# Altium PCB BMS.PcbDoc (part 1 of 2) (continued)
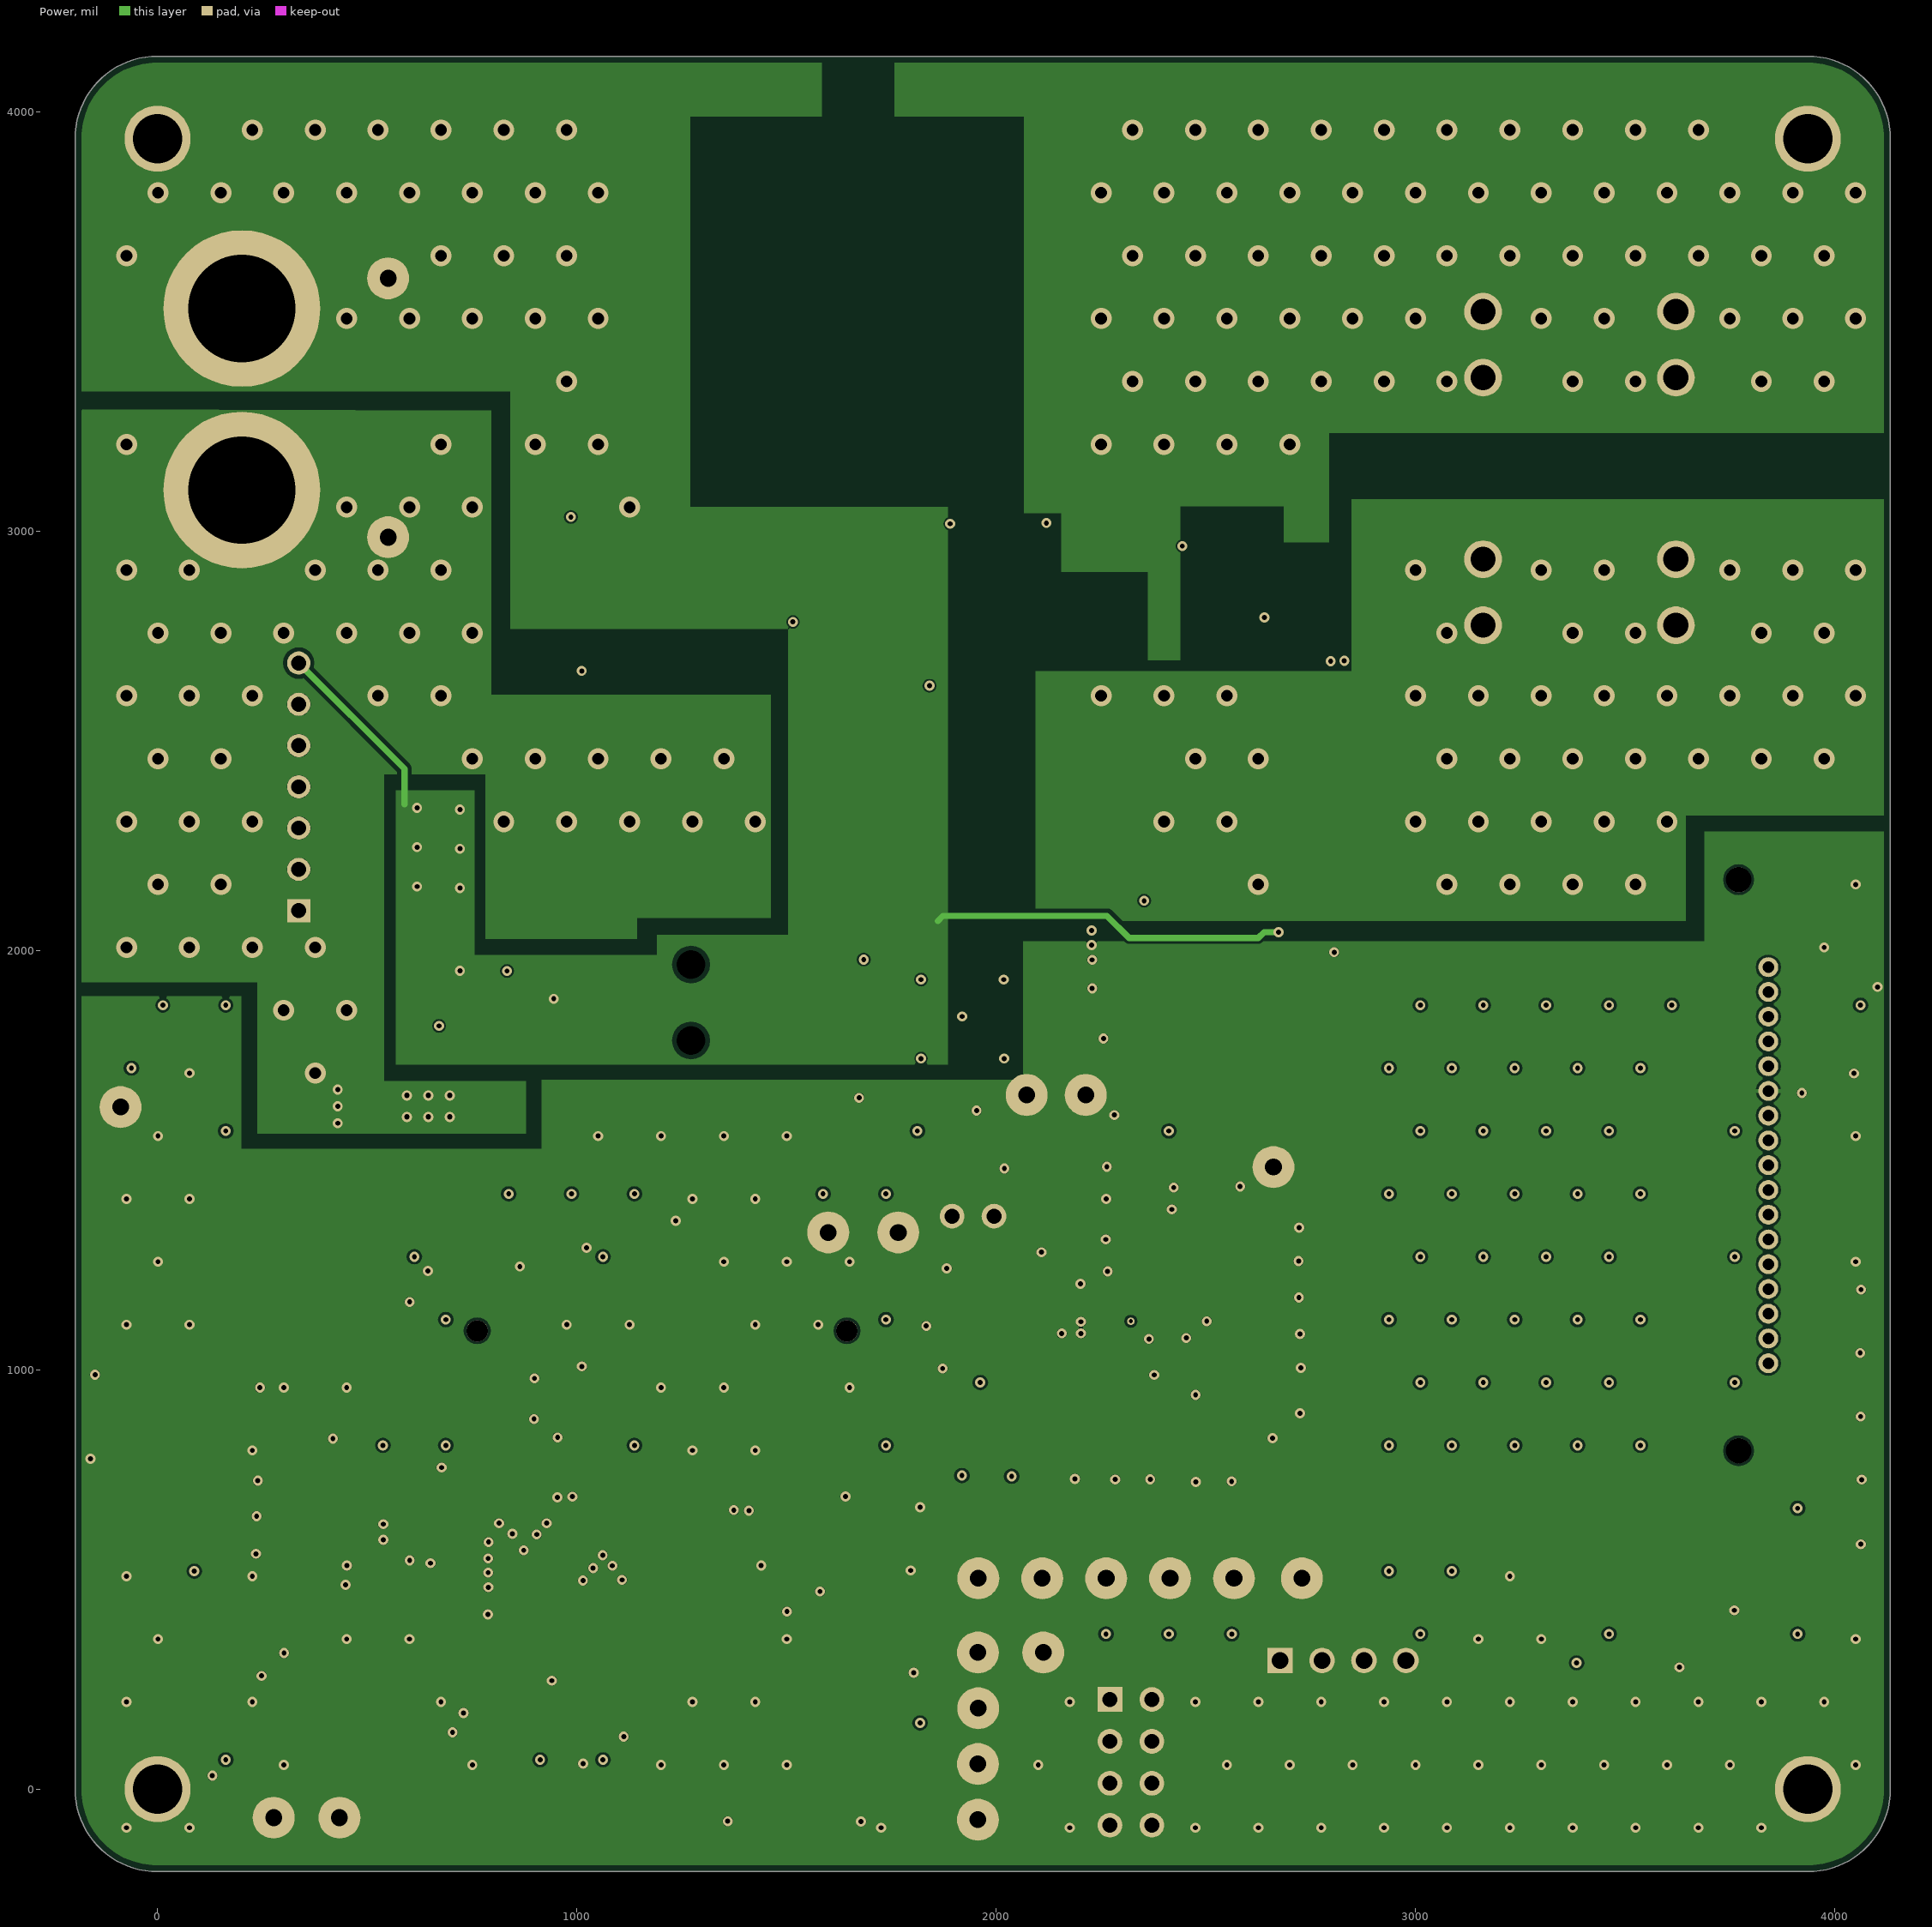
[diagram p3: Power]
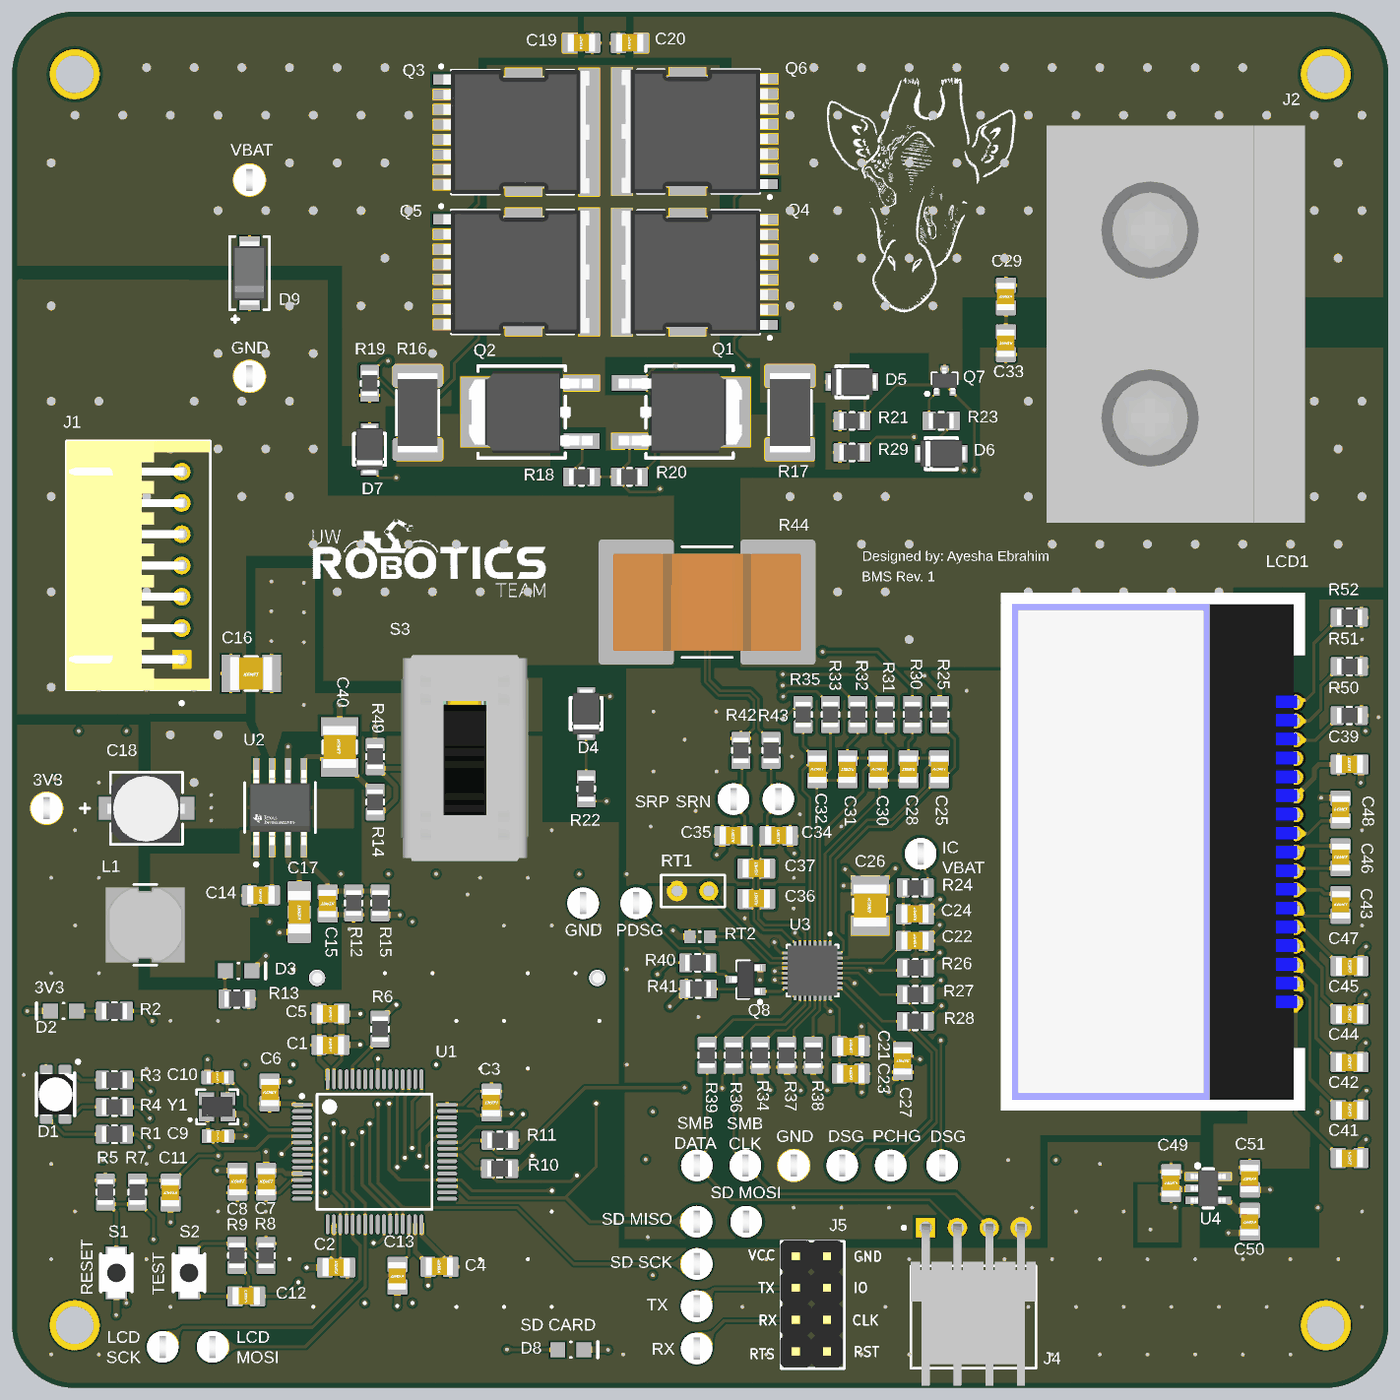
[diagram p5: 3D render of the assembled board from above, using the file's embedded part models]
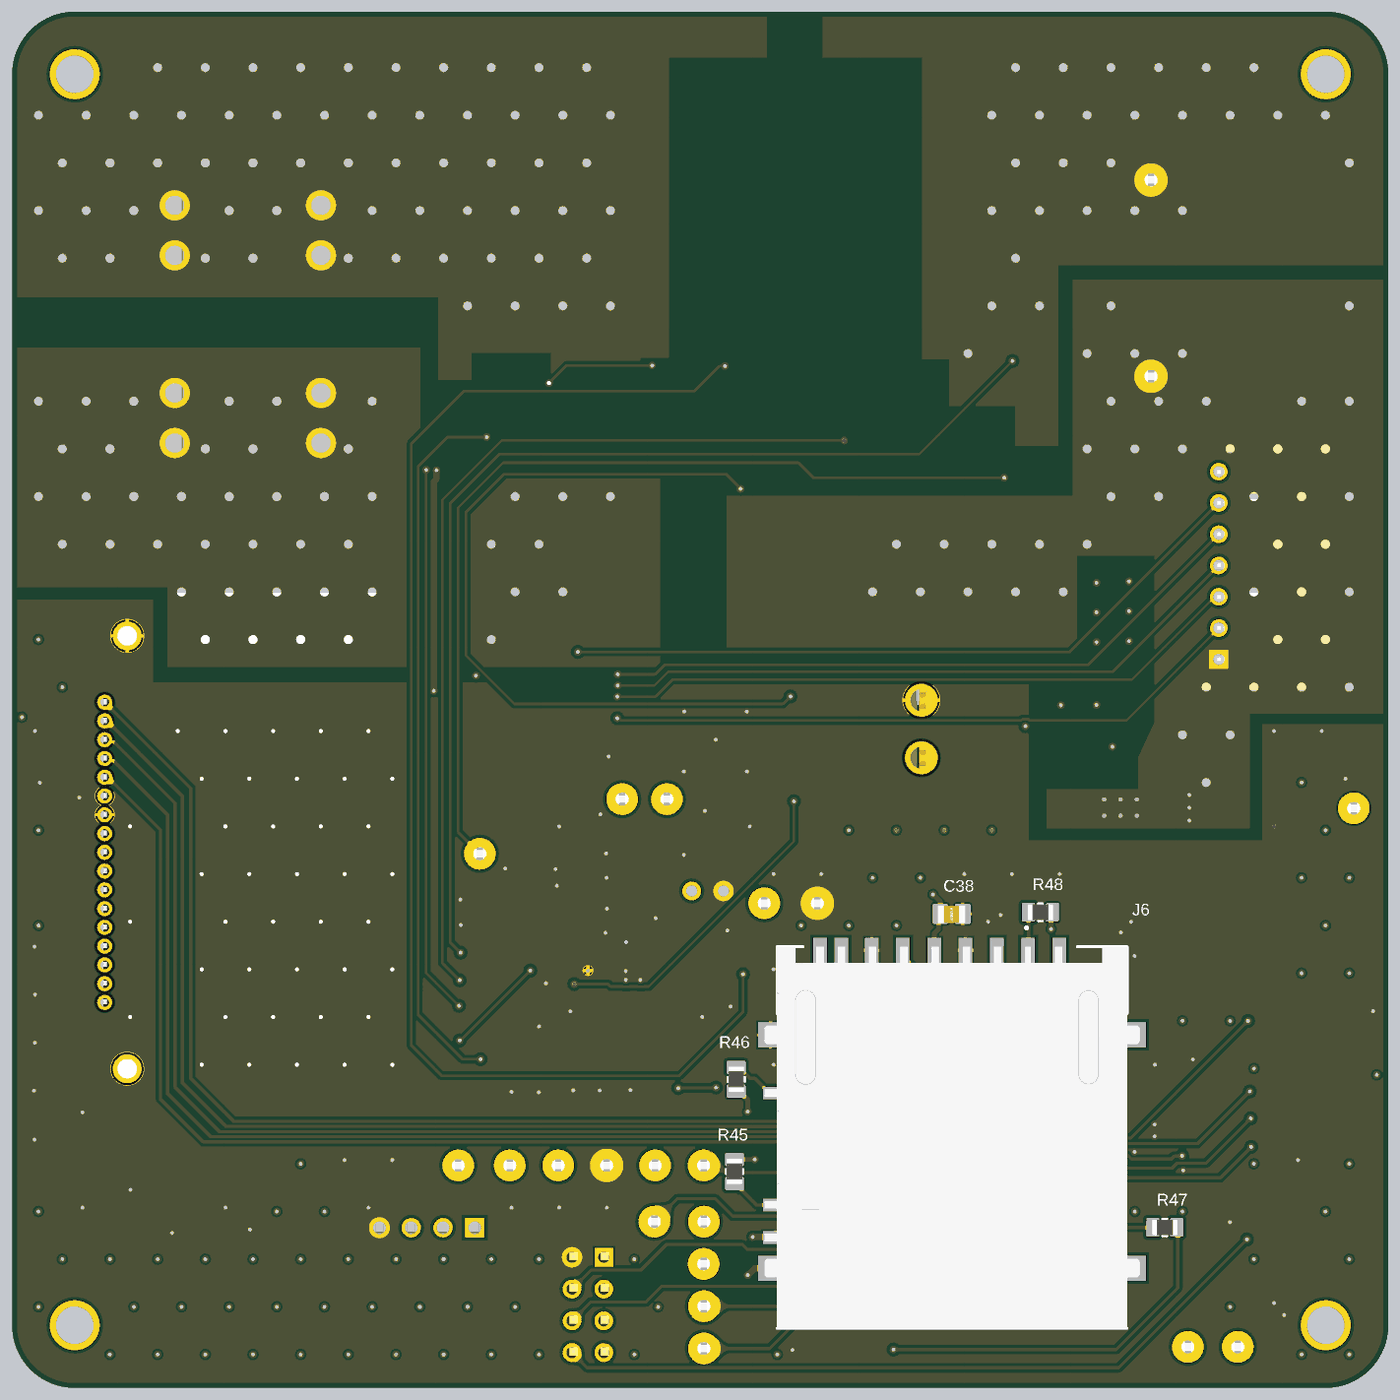
[diagram p6: 3D render of the assembled board from below, using the file's embedded part models]

## Layer stack, top to bottom
Top Solder: solder mask 0.4, Solder Resist, Dk 3.5
Top Layer: signal copper 2.8
Dielectric 2: prepreg 4.3307, PP-006, Dk 4.29
Ground: signal copper 1.378
Dielectric 1: dielectric 44.4882, FR-4, Dk 3.96
Power: signal copper 1.378
Dielectric 3: prepreg 4.3307, PP-006, Dk 4.29
Bottom Layer: signal copper 2.8
Bottom Solder: solder mask 0.4, Solder Resist, Dk 3.5

## Board outline
0,-196.85 cw(c0,0) -196.85,0 -196.85,3937.01 cw(c0,3937.01) 0,4133.86 3937.01,4133.86 cw(c3937.01,3937.01) 4133.86,3937.01 4133.86,0 cw(c3937.01,0) 3937.01,-196.85

## Design rules (kind name [scope] priority, off if disabled: settings)
BoardOutlineClearance [All] p1: gap=15 ignorepadtopadclearanceinfootprint=FALSE except(20: Arc-OutlineEdge)
Clearance Clearance_Voltage [InNet('3V3') or InNet('3V')] p1: gap=6 ignorepadtopadclearanceinfootprint=TRUE
Clearance "Clearance Polygons" [InPolygon] p2: gap=10 ignorepadtopadclearanceinfootprint=FALSE except(0: Arc-Hole Track-Hole SMDPad-Hole THPad-Hole Via-Hole Fill-Hole Poly-Hole Region-Hole Text-Hole)
Clearance [All] p3: gap=6 ignorepadtopadclearanceinfootprint=FALSE except(0: Arc-Hole Track-Hole SMDPad-Hole THPad-Hole Via-Hole Fill-Hole Poly-Hole Region-Hole Text-Hole)
ComponentClearance "HM-TRP & UFL" [InComponent('X1') vs InComponent('U1')] p1: gap=0 collisioncheckmode=3 verticalgap=0 showdistances=FALSE
ComponentClearance [All] p2: gap=1 collisioncheckmode=3 verticalgap=1 showdistances=FALSE
DiffPairsRouting [All] p1: maxlimit=393.7 minlimit=5 mostfreqgap=8 toplayer_minwidth=5 toplayer_maxwidth=15 toplayer_prefwidth=8 midlayer1_minwidth=5 midlayer1_maxwidth=15 midlayer1_prefwidth=8 midlayer2_minwidth=5 midlayer2_maxwidth=15 midlayer2_prefwidth=8 bottomlayer_minwidth=5 bottomlayer_maxwidth=15 bottomlayer_prefwidth=8 maxuncoupledlength=500
Height [All] p1: minheight=0 maxheight=2000 prefheight=500
HoleSize [All] p1: absolutevalues=TRUE maxlimit=265 minlimit=10 maxpercent=80.000 minpercent=20.000
HoleToHoleClearance [All] p1: gap=10 allowstackedmicrovias=FALSE
MinimumAnnularRing [All] p1: minimumring=4
MinimumSolderMaskSliver [All] p1: minsoldermaskwidth=0
PlaneClearance [All] p1: clearance=10
PlaneConnect [All] p1: planeconnectstyle=Relief reliefexpansion=4 reliefentries=4 reliefconductorwidth=6 reliefairgap=6
PolygonConnect "Via connect style" [isVia] p1: connectstyle=Direct reliefconductorwidth=10 reliefentries=4 polygonreliefangle="90 Angle" airgapwidth=10
PolygonConnect [All] p2: thpad.connectstyle=Relief thpad.reliefconductorwidth=10 thpad.reliefentries=4 thpad.polygonreliefangle="90 Angle" thpad.airgapwidth=6 smdpad.connectstyle=Relief smdpad.reliefconductorwidth=10 smdpad.reliefentries=4 smdpad.polygonreliefangle="90 Angle" smdpad.airgapwidth=6 via.connectstyle=Direct via.reliefconductorwidth=10 via.reliefentries=4 via.polygonreliefangle="90 Angle" via.airgapwidth=6
RoutingCorners [All] p1: cornerstyle=45-Degree minsetback=49.21 maxsetback=49.21
RoutingVias [All] p1: holewidth=12 width=22 viastyle="Through Hole" minholewidth=10 minwidth=18 maxholewidth=100 maxwidth=114
SilkToSilkClearance [All] p1: silktosilkclearance=0
SilkToSolderMaskClearance [IsPad] p1: minsilkscreentomaskgap=5 clearancetoexposedcopper=TRUE
SolderMaskExpansion [All] p1: expansion=2.5 istentingtop=FALSE
Width GND [InNet('GND')] p1: maxlimit=30 minlimit=8 preferedwidth=20 minimp=50.000000 maximp=50.000000 favimp=50.000000
Width Power [InNetClass('Power')] p2: maxlimit=40 minlimit=20 preferedwidth=30
Width 3V3 [InNetClass('3V3')] p3: maxlimit=30 minlimit=10 preferedwidth=20
Width [All] p4: maxlimit=400 minlimit=8 preferedwidth=8 minimp=50.000000 maximp=50.000000 favimp=50.000000
19 further rules are at their usual default settings.

## Classes and differential pairs
component class "SH7 - SD CARD CONNECTOR": C38 D8 J6 R45 R46 R47 R48 TP19 TP20
component class "SH1 - POWER": C14 C15 C16 C17 C18 C40 C49 C50 C51 D3 L1 R12 R13 R14 R15 R49 S3 TP8 TP9 U2 U4
component class "SH4 - MICROCONTROLLER": C1 C2 C3 C4 C5 C6 C7 C8 C9 C10 C11 C12 C13 D1 D2 MH1 MH2 MH3 MH4 R1 R2 R3 R4 R5 R6 R7 R8 R9 R10 R11 S1 S2 SMb TP1 TP2 TP3 TP4 TP5 TP6 U1 Y1
component class "SH5 - LCD DISPLAY": C39 C41 C42 C43 C44 C45 C46 C47 C48 LCD1 R50 R51 R52 TP21 TP22
component class "SH2 - CONNECTORS": D9 J1 J2 J3 J4 J5
component class "SH3 - BATTERY MANAGER": C19 C20 C21 C22 C23 C24 C25 C26 C27 C28 C29 C30 C31 C32 C33 C34 C35 C36 C37 CHG D4 D5 D6 D7 Q1 Q2 Q3 Q4 Q5 Q6 Q7 Q8 R16 R17 R18 R19 R20 R21 R22 R23 R24 R25 R26 R27 R28 R29 R30 R31 R32 R33 R34 R35 R36 R37 R38 R39 R40 R41 R42 R43 R44 RT1 RT2 TP10 TP12 TP13 TP14 TP15 TP16 TP17 TP18 U3

## Components (designator, comment, footprint, x,y, rotation, side; value= is the part's Value field where it differs from the comment)
C1 "CAP_0.1uF_50V_0805" CAPC2012X140N 804.61,881.97 r180 top value=0.1uF
C2 "CAP_0.1uF_50V_0805" CAPC2012X140N 822.88,181.72 r0 top value=0.1uF
C3 "CAP_0.1uF_50V_0805" CAPC2012X140N 1311.65,700.97 r90 top value=0.1uF
C4 "CAP_0.1uF_50V_0805" CAPC2012X140N 1147.7,184.02 r0 top value=0.1uF
C5 "CAP_4.7uF_16V_0805" CAPC2012X140N 804.61,980.97 r180 top value=4.7uF
C6 "CAP_0.1uF_50V_0805" CAPC2012X140N 613.25,732.6 r270 top value=0.1uF
C7 "CAP_0.1uF_50V_0805" CAPC2012X140N 602.05,451.95 r270 top value=0.1uF
C8 "CAP_1uF_16V_0805" CAPC2012X140N 512.4,451.95 r270 top value=1uF
C9 "CL10C140JB8NNNC" CAPC0603(1608)55_N 450.48,594.76 r180 top value=14pF
C10 "CL10C140JB8NNNC" CAPC0603(1608)55_N 449.5,780 r0 top value=14pF
C11 "CAP_1uF_16V_0805" CAPC2012X140N 302,417.33 r90 top value=1uF
C12 "CAP_1uF_16V_0805" CAPC2012X140N 539.76,91 r0 top value=1uF
C13 "CAP_4.7uF_16V_0805" CAPC2012X140N 1015.56,155.48 r90 top value=4.7uF
C14 "CAP_0.1uF_50V_0805" CAPC2012X140N 585.76,1353 r0 top value=0.1uF
C15 "CAP_150pF_250V_0805" CAPC2012X140N 796.25,1327.42 r90 top value=150pF
C16 "CAP_10uF_100V_1210" CAPC1210(3225) 555.33,2050.97 r0 top value=10uF
C17 "CAP_2.2uF_50V_1206" CAPC1206(3216) 706.65,1300.3 r90 top value=2.2uF
C18 "CAP_220uF_6.3V_SMD" PCAP_SVP_B6_PA00 226,1627 r0 top value=220uF
C19 "CAP_0.1uF_50V_0805" CAPC2012X140N 1594.57,4035 r0 top value=0.1uF
C20 "CAP_0.1uF_50V_0805" CAPC2012X140N 1746.42,4035 r0 top value=0.1uF
C21 "CAP_100pF_50V_0805" CAPC2012X140N 2442.09,878.33 r180 top value=100pF
C22 "CAP_100pF_50V_0805" CAPC2012X140N 2644.26,1209.44 r0 top value=100pF
C23 "CAP_100pF_50V_0805" CAPC2012X140N 2442.09,792.33 r180 top value=100pF
C24 "CAP_100pF_50V_0805" CAPC2012X140N 2644.26,1293.44 r0 top value=100pF
C25 "CAP_0.1uF_50V_0805" CAPC2012X140N 2720.29,1749.72 r270 top value=0.1uF
C26 "CAP_2.2uF_100V_1210" CAPC1210(3225) 2503.04,1320.94 r270 top value=2.2uF
C27 "CAP_0.01uF_100V_0805" CAPC2012X140N 2606,832 r90 top value=0.01uF
C28 "CAP_0.1uF_50V_0805" CAPC2012X140N 2624.29,1749.72 r90 top value=0.1uF
C29 "CAP_0.1uF_50V_0805" CAPC2012X140N 2930.65,3237.57 r90 top value=0.1uF
C30 "CAP_0.1uF_50V_0805" CAPC2012X140N 2528.29,1749.72 r270 top value=0.1uF
C31 "CAP_0.1uF_50V_0805" CAPC2012X140N 2432.29,1749.72 r90 top value=0.1uF
C32 "CAP_0.1uF_50V_0805" CAPC2012X140N 2336.29,1749.72 r270 top value=0.1uF
C33 "CAP_0.1uF_50V_0805" CAPC2012X140N 2930.65,3090.57 r90 top value=0.1uF
C34 "CAP_0.1uF_50V_0805" CAPC2012X140N 2073.04,1540.42 r0 top value=0.1uF
C35 "CAP_0.1uF_50V_0805" CAPC2012X140N 2215.64,1540.42 r0 top value=0.1uF
C36 "CAP_100pF_50V_0805" CAPC2012X140N 2144.79,1341.62 r0 top value=100pF
C37 "CAP_0.1uF_50V_0805" CAPC2012X140N 2144.79,1436.97 r0 top value=0.1uF
C38 "CAP_0.1uF_50V_0805" CAPC2012X140N 1177.8,1294.5 r0 bottom value=0.1uF
C39 "CAP_0.1uF_50V_0805" CAPC2012X140N 4012,1765 r0 top value=0.1uF
C40 "CAP_10uF_100V_1210" CAPC1210(3225) 833.8,1819.9 r270 top value=10μF
C41 "CAP_0.1uF_50V_0805" CAPC2012X140N 4012,526.42 r180 top value=0.1uF
C42 "CAP_0.1uF_50V_0805" CAPC2012X140N 4012,677.31 r180 top value=0.1uF
C43 "CAP_2.2uF_25V_0805" CAPC2012X140N 3983.46,1323 r270 top value=2.2uF
C44 "CAP_0.1uF_50V_0805" CAPC2012X140N 4012,828.21 r180 top value=0.1uF
C45 "CAP_0.1uF_50V_0805" CAPC2012X140N 4012,979.1 r180 top value=0.1uF
C46 "CAP_2.2uF_25V_0805" CAPC2012X140N 3983.46,1473 r270 top value=2.2uF
C47 "CAP_0.1uF_50V_0805" CAPC2012X140N 4012,1130 r180 top value=0.1uF
C48 "CAP_2.2uF_25V_0805" CAPC2012X140N 3983.46,1623 r270 top value=2.2uF
C49 "CAP_1uF_16V_0805" CAPC2012X140N 3450.5,447.81 r90 top value=1uF
C50 "CAP_0.01uF_100V_0805" CAPC2012X140N 3698.45,325.91 r90 top value=0.01uF
C51 "CAP_1uF_16V_0805" CAPC2012X140N 3698.45,461.63 r90 top value=1uF
CHG "TESTPOINT_LOOP" TESTPOINT_LOOP 2730,503 r90 top (schematic designator TP11)
D1 "LED_RGB" LED_RGB -60.28,726.8 r180 top
D2 "DIO_LED_G" LED_0805_LINE -35.31,989 r180 top
D3 "DIO_LED_G" LED_0805_LINE 515.59,1115.38 r0 top
D4 "B0540W-7-F" SOD-123_FLAT 1609.5,1924.69 r90 top value=170pF
D5 "DIO_ZENER_16V" SOD-123_FLAT 2446,2968.83 r0 top
D6 "1N4148W-7-F" SOD-123_FLAT 2726.83,2743 r0 top value=100V
D7 "B0540W-7-F" SOD-123_FLAT 928,2756.45 r90 top value=170pF
D8 "DIO_LED_G" LED_0805_LINE 1561,-77 r0 top
D9 "P4SMA30A-E3/61" DO-214AC_UNI 550,3311 r90 top
J1 "CON_7M_TH_RA" JST_S7B-XH-A(LF)(SN) 200.47,2391 r90 top
J2 "SCREW_TERM_115A" MOLEX-0399200302 3359.03,2973.3 r90 top
J3 "XT90" XT90 -2121.83,579.24 r0 top
J4 "CON_4M_TH_RA" MOLEX-22-05-3041_V 2828,307 r0 top
J5 "HEADER 4X2" HEADER_2X4 2272,214 r270 top
J6 "SD_CARD_CON" HRS_DM1AA-SF-PEJ(21) 1207.42,591.14 r180 bottom
L1 "SRN6045-150M" IND_BOURNS_SRN6045 222,1260 r0 top
LCD1 "NHD-C12832A1Z-FSW-FBW-3V3" NHDC12832A1ZFSWFBW3V3 3842.68,1015.94 r90 top
MH1 "MOUNTING_HOLES" MOUNTING_HOLE 0,0 r0 top
MH2 "MOUNTING_HOLES" MOUNTING_HOLE 0,3937.01 r0 top
MH3 "MOUNTING_HOLES" MOUNTING_HOLE 3937.01,3937.01 r0 top
MH4 "MOUNTING_HOLES" MOUNTING_HOLE 3937.01,0 r90 top
Q1 "PMOS_40V_40A" D-PAK 1872.02,2873.83 r270 top
Q2 "PMOS_40V_40A" D-PAK 1468.98,2873.83 r90 top
Q3 "NMOS_100V_210A" 8-HPSOF 1389.65,3755 r270 top
Q4 "NMOS_100V_210A" 8-HPSOF 1951.35,3314 r90 top
Q5 "NMOS_100V_210A" 8-HPSOF 1389.65,3315 r270 top
Q6 "NMOS_100V_210A" 8-HPSOF 1951.35,3757 r90 top
Q7 "NMOS_60V_310mA" SOT323 2737.57,2972.59 r270 top
Q8 "NMOS_50V_200mA" SOT23-3 2111.51,1088.06 r180 top
R1 "RES_20Ω_0805" RESC2012X60N 125.1,600.97 r0 top value=20Ω
R2 "RES_100Ω_0805" RESC2012X60N 125.1,989 r0 top value=100Ω
R3 "RES_100Ω_0805" RESC2012X60N 125.1,771.97 r180 top value=100Ω
R4 "RES_20Ω_0805" RESC2012X60N 125.1,686.97 r0 top value=20Ω
R5 "RES_10kΩ_0805" RESC2012X60N 96.5,418.91 r90 top value=10kΩ
R6 "RES_10kΩ_0805" RESC2012X60N 960.61,931.73 r90 top value=10kΩ
R7 "RES_10kΩ_0805" RESC2012X60N 196.6,418.91 r90 top value=10kΩ
R8 "RES_10kΩ_0805" RESC2012X60N 602.05,219.52 r90 top value=10kΩ
R9 "RES_10kΩ_0805" RESC2012X60N 510.43,219.97 r90 top value=10kΩ
R10 "RES_1kΩ_0805" RESC2012X60N 1337.24,492.97 r0 top value=1kΩ
R11 "RES_1kΩ_0805" RESC2012X60N 1338.24,581.97 r0 top value=1kΩ
R12 "RES_51kΩ_0805" RESC2012X60N 877.74,1328.99 r270 top value=51kΩ
R13 "RES_100Ω_0805" RESC2012X60N 510.35,1026.65 r0 top value=100Ω
R14 "" RESC2012X60N 945.7,1646.7 r90 top value=1kΩ
R15 "RES_22.1kΩ_0805" RESC2012X60N 961.2,1328.99 r90 top
R16 "RES_200Ω_2512" RESC6532X75N 1079,2872 r270 top value=200Ω
R17 "RES_200Ω_2512" RESC6532X75N 2251,2872 r90 top value=200Ω
R18 "RES_10MΩ_0805" RESC2012X60N 1595.36,2670 r0 top value=10MΩ
R19 "RES_10MΩ_0805" RESC2012X60N 928,2964.13 r270 top value=10MΩ
R20 "RES_10MΩ_0805" RESC2012X60N 1745.64,2670 r180 top value=10MΩ
R21 "RES_10MΩ_0805" RESC2012X60N 2446,2846 r180 top value=10MΩ
R22 "RES_510Ω_0805" RESC2012X60N 1609.5,1688.37 r90 top value=510Ω
R23 "RES_10kΩ_0805" RESC2012X60N 2726.83,2846 r180 top value=10kΩ
R24 "RES_100Ω_0805" RESC2012X60N 2645.04,1376.65 r180 top value=100Ω
R25 "RES_100Ω_0805" RESC2012X60N 2722.29,1922.12 r270 top value=100Ω
R26 "RES_1kΩ_0805" RESC2012X60N 2645.04,1124.65 r0 top value=1kΩ
R27 "RES_10kΩ_0805" RESC2012X60N 2645.04,1040.65 r0 top value=10kΩ
R28 "RES_1kΩ_0805" RESC2012X60N 2645.04,956.65 r0 top value=1kΩ
R29 "RES_1.1kΩ_0805" RESC2012X60N 2446,2747 r180 top value=1.1kΩ
R30 "RES_100Ω_0805" RESC2012X60N 2636.29,1922.12 r270 top value=100Ω
R31 "RES_100Ω_0805" RESC2012X60N 2550.29,1922.12 r270 top value=100Ω
R32 "RES_100Ω_0805" RESC2012X60N 2464.29,1922.12 r270 top value=100Ω
R33 "RES_100Ω_0805" RESC2012X60N 2378.29,1922.12 r270 top value=100Ω
R34 "RES_10kΩ_0805" RESC2012X60N 2157.04,849.65 r270 top value=10kΩ
R35 "RES_100Ω_0805" RESC2012X60N 2292.29,1922.12 r270 top value=100Ω
R36 "RES_100Ω_0805" RESC2012X60N 2073.54,849.65 r90 top value=100Ω
R37 "RES_10kΩ_0805" RESC2012X60N 2240.54,849.65 r270 top value=10kΩ
R38 "RES_10kΩ_0805" RESC2012X60N 2324.04,849.65 r270 top value=10kΩ
R39 "RES_100Ω_0805" RESC2012X60N 1990.04,849.65 r90 top value=100Ω
R40 "RES_10MΩ_0805" RESC2012X60N 1960.45,1140.65 r180 top value=10MΩ
R41 "RES_10MΩ_0805" RESC2012X60N 1962.45,1058.04 r0 top value=10MΩ
R42 "RES_100Ω_0805" RESC2012X60N 2096.17,1809.42 r270 top value=100Ω
R43 "RES_100Ω_0805" RESC2012X60N 2191.5,1809.42 r270 top value=100Ω
R44 "RES_1mΩ_5931" RES-5931 1990.01,2275.78 r0 top value=1mΩ
R45 "RES_10kΩ_0805" RESC2012X60N 1860.8,483.8 r90 bottom value=10kΩ
R46 "RES_10kΩ_0805" RESC2012X60N 1855.5,774.2 r270 bottom value=10kΩ
R47 "RES_100Ω_0805" RESC2012X60N 506.6,308 r0 bottom value=100Ω
R48 "RES_10kΩ_0805" RESC2012X60N 897.9,1299.7 r180 bottom value=10kΩ
R49 "RES_10kΩ_0805" RESC2012X60N 945.37,1789.62 r270 top value=10kΩ
R50 "RES_10kΩ_0805" RESC2012X60N 4011.21,1918.81 r0 top value=10kΩ
R51 "RES_10kΩ_0805" RESC2012X60N 4011.21,2073.4 r0 top value=10kΩ
R52 "RES_10kΩ_0805" RESC2012X60N 4011.21,2228 r0 top value=10kΩ
RT1 "THERM_10k_FREE_HANGING" "HDR1X2 - PTH Thermistor" 1995.4,1366.7 r180 top
RT2 "THERM_10k_0603" RESC0603(1608)_N 1998.44,1222.78 r180 top
S1 "SW_TACTILE" B3U-1000P 131.2,164.97 r90 top
S2 "SW_TACTILE" B3U-1000P 359.65,164.97 r270 top
S3 "GF-123-0054" GF1230054 1272.65,1785.87 r270 top
TP1 "TESTPOINT_LOOP" TESTPOINT_LOOP 1958,503 r90 top
TP2 "TESTPOINT_LOOP" TESTPOINT_LOOP 1957.8,193 r90 top
TP3 "TESTPOINT_LOOP" TESTPOINT_LOOP 1957,60 r90 top
TP4 "TESTPOINT_LOOP" TESTPOINT_LOOP 1957,-73 r90 top
TP5 "TESTPOINT_LOOP" TESTPOINT_LOOP 2110.48,503 r90 top
TP6 "TESTPOINT_LOOP" TESTPOINT_LOOP 1599.9,1328 r90 top
TP8 "TESTPOINT_LOOP" TESTPOINT_LOOP 550,3604 r90 top
TP9 "TESTPOINT_LOOP" TESTPOINT_LOOP -88.25,1627 r90 top